# Altium PCB RTM_SFP.PcbDoc (part 5 of 17)
Units mil, origin at the board's own origin, x right, y up, seen from the top; angles counter-clockwise.
Board outline 7185 x 5846.5 mil, 4 copper layers (Top Layer, MidPlane_1, MidPlane_2, Bottom Layer), stack 63.553 mil thick; 389 components, 333 nets, 1578 pads, 1486 vias.
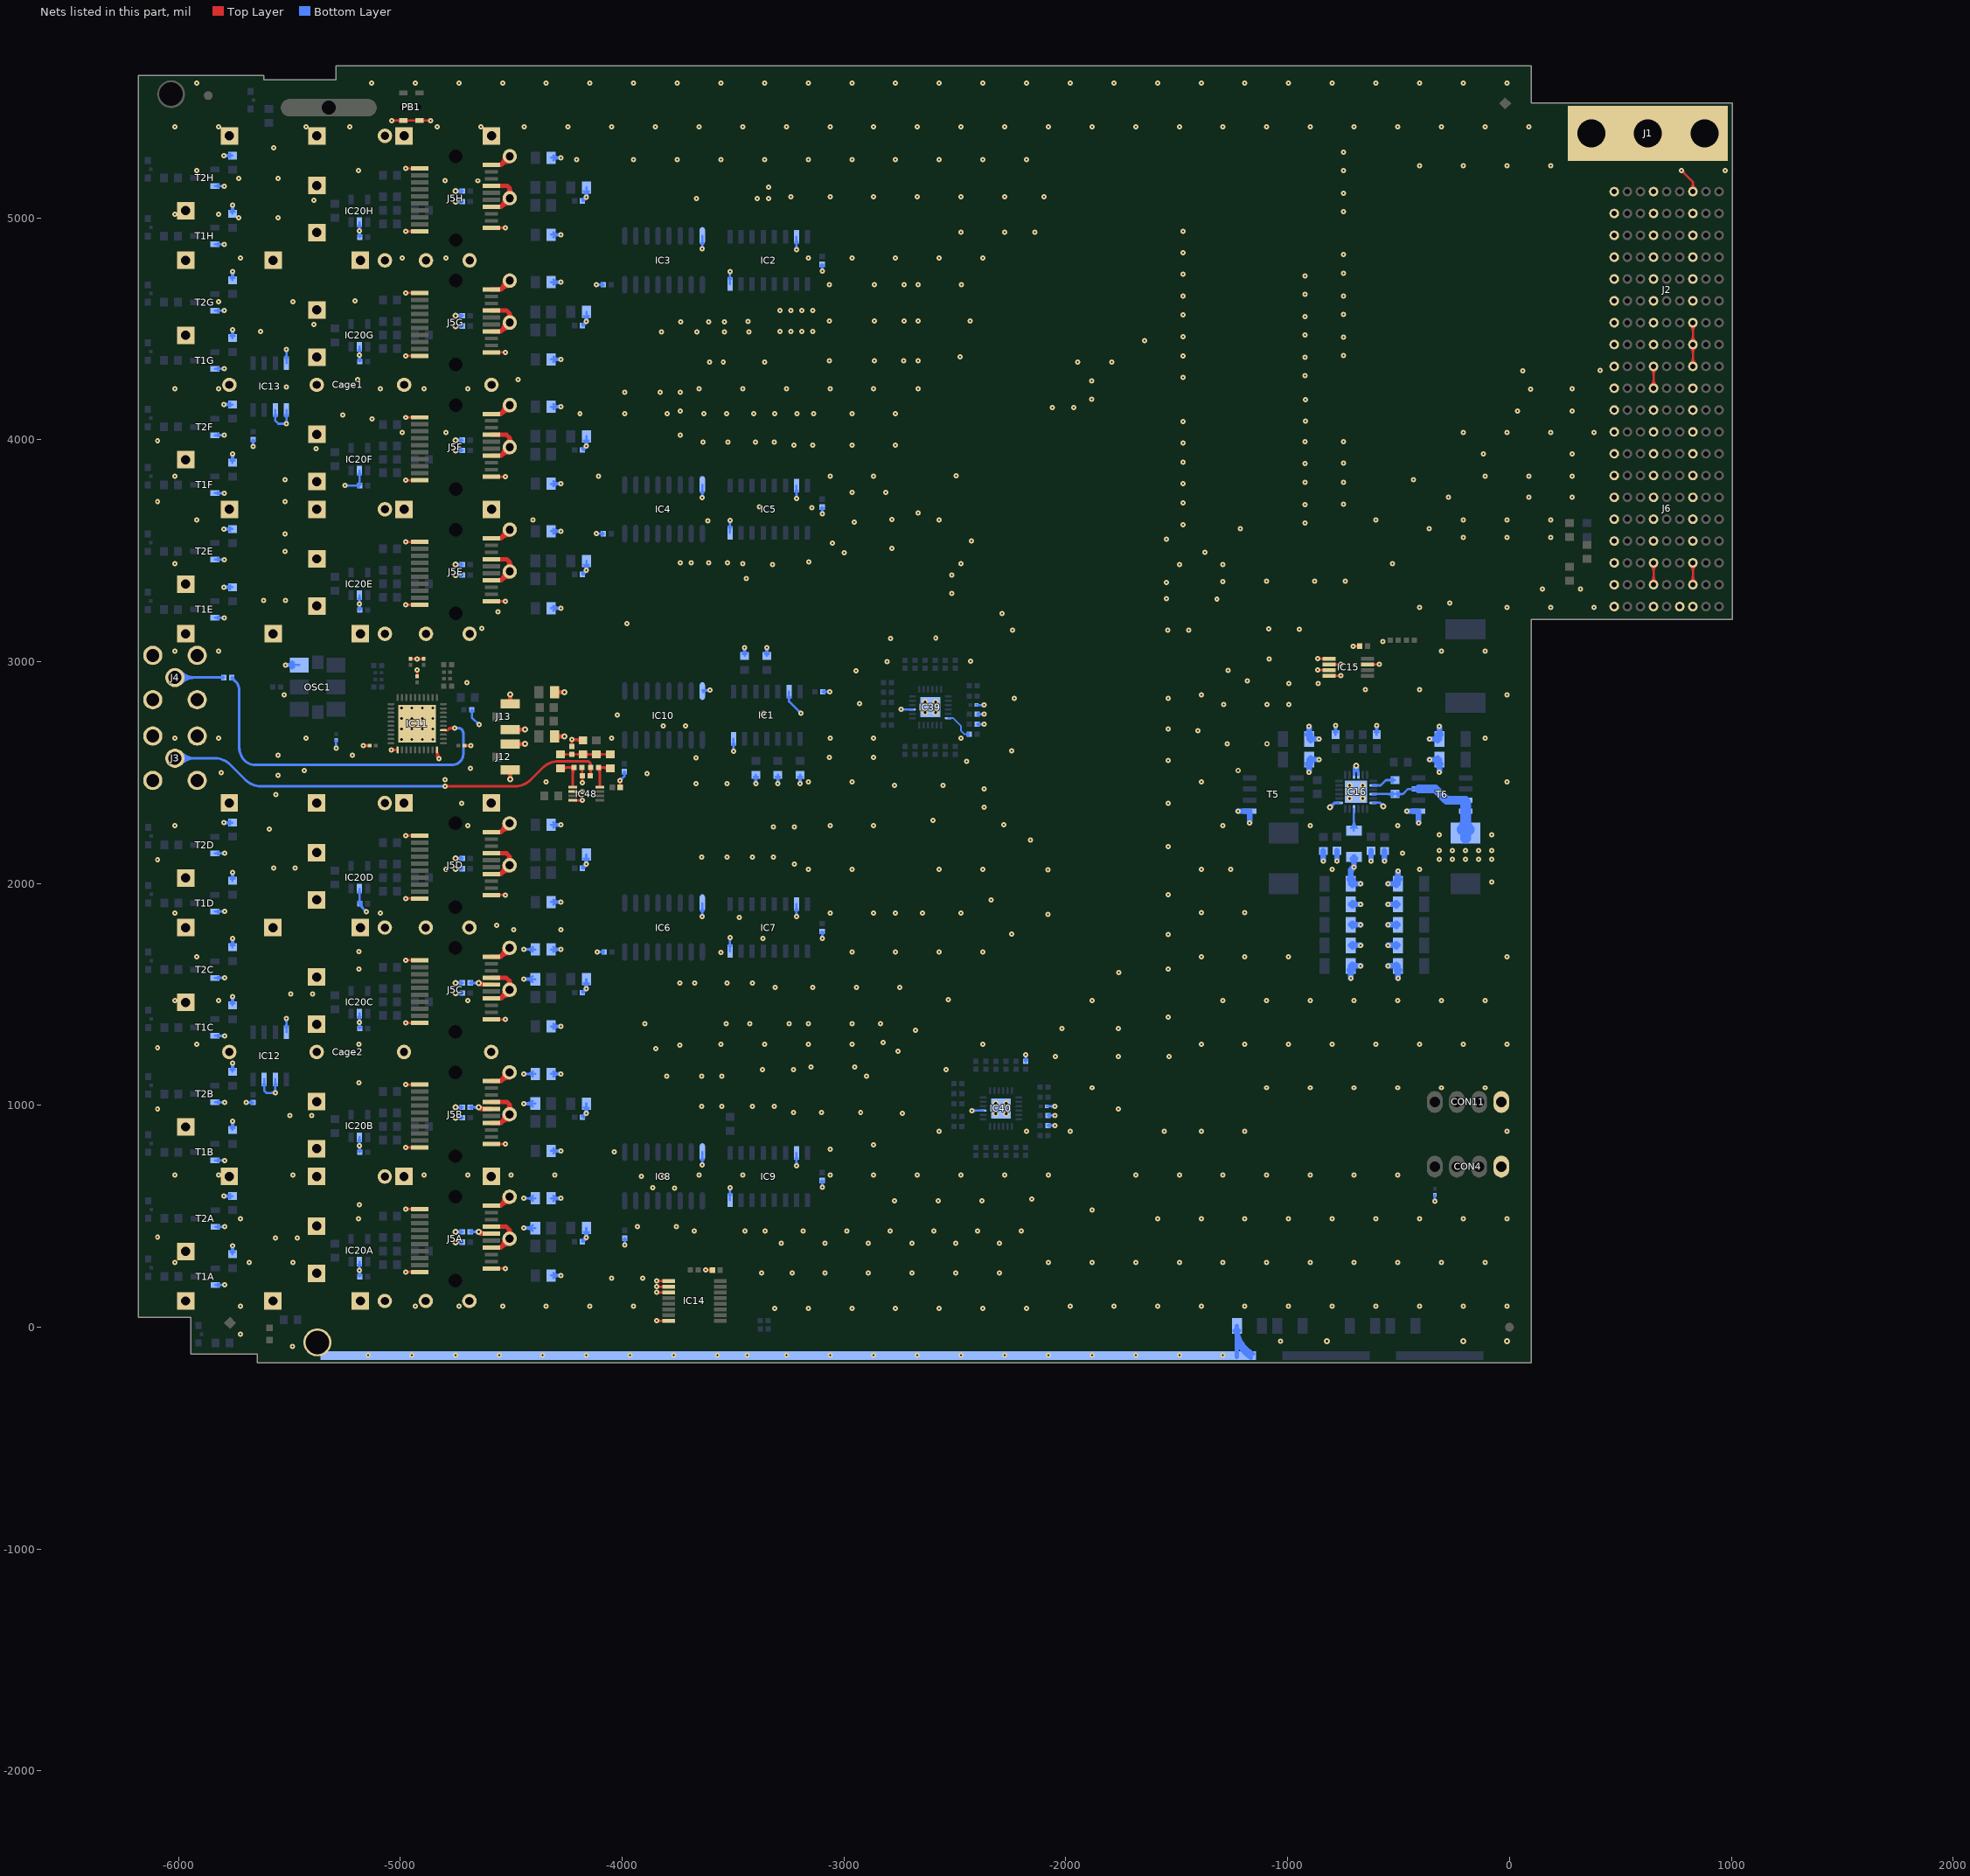
[diagram p7: the nets of this part, all layers, seen from the top]

## Via types
v1: diameter 23.62, hole 7.87, Top Layer to Bottom Layer, tented both sides, 1401 vias
v2: diameter 27.56, hole 11.81, Top Layer to Bottom Layer, tented both sides, 59 vias
v3: diameter 25.98, hole 12.99, Top Layer to Bottom Layer, tented top, 24 vias
v4: diameter 23.62, hole 11.81, Top Layer to Bottom Layer, tented both sides, 2 vias

## Nets (pads, with @x,y where several pads share a name; then routed paths per layer and width w, separated by ;. In a path a pad name is that pad's centre, name@x,y a point inside that pad or via, vN(x,y) a via of type N, cw(c..) or ccw(c..) an arc to the next point about the centre after c; other vN are vias at no path point) (continued)
GND: (continued)
  Bottom Layer w10: -4292.62,3587.8 ccw(c-4292.62,3604.24) -4281,3592.61 cw(c-4292.62,3604.24) -4292.62,3587.8 ; -4292.62,3801.58 cw(c-4292.62,3785.13) -4281,3796.76 ccw(c-4292.62,3785.13) -4292.62,3801.58 ; -4292.62,3801.58 ccw(c-4292.62,3818.02) -4281,3806.39 cw(c-4292.62,3818.02) -4292.62,3801.58 ; -4292.62,4148.82 cw(c-4292.62,4132.38) -4281,4144 ccw(c-4292.62,4132.38) -4292.62,4148.82 ; -4292.62,4148.82 ccw(c-4292.62,4165.26) -4281,4153.64 cw(c-4292.62,4165.26) -4292.62,4148.82 ; -4292.62,4362.6 cw(c-4292.62,4346.16) -4281,4357.78 ccw(c-4292.62,4346.16) -4292.62,4362.6 ; -4292.62,4362.6 ccw(c-4292.62,4379.04) -4281,4367.42 cw(c-4292.62,4379.04) -4292.62,4362.6 ; -4292.62,4709.84 cw(c-4292.62,4693.4) -4281,4705.03 ccw(c-4292.62,4693.4) -4292.62,4709.84 ; -4292.62,4709.84 ccw(c-4292.62,4726.29) -4281,4714.66 cw(c-4292.62,4726.29) -4292.62,4709.84 ; -4292.62,4923.62 cw(c-4292.62,4907.18) -4281,4918.81 ccw(c-4292.62,4907.18) -4292.62,4923.62 ; -4292.62,4923.62 ccw(c-4292.62,4940.07) -4281,4928.44 cw(c-4292.62,4940.07) -4292.62,4923.62 ; -4292.62,5270.87 cw(c-4292.62,5254.42) -4281,5266.05 ccw(c-4292.62,5254.42) -4292.62,5270.87 ; -4292.62,5270.87 ccw(c-4292.62,5287.31) -4281,5275.68 cw(c-4292.62,5287.31) -4292.62,5270.87 ; C186B.2@-4173.6,952.93 cw(c-4161.98,941.3) -4161.98,957.75 ccw(c-4161.98,941.3) C186B.2@-4173.6,952.93 ; C186B.2@-4173.6,952.93 ccw(c-4185.23,964.56) -4168.79,964.56 cw(c-4185.23,964.56) C186B.2@-4173.6,952.93 ; C186C.2@-4173.6,1513.96 cw(c-4161.98,1502.33) -4161.98,1518.77 ccw(c-4161.98,1502.33) C186C.2@-4173.6,1513.96 ; C186C.2@-4173.6,1513.96 ccw(c-4185.23,1525.58) -4168.79,1525.58 cw(c-4185.23,1525.58) C186C.2@-4173.6,1513.96 ; C186D.2@-4173.6,2074.98 cw(c-4161.98,2063.35) -4161.98,2079.8 ccw(c-4161.98,2063.35) C186D.2@-4173.6,2074.98 ; C186D.2@-4173.6,2074.98 ccw(c-4185.23,2086.61) -4168.79,2086.61 cw(c-4185.23,2086.61) C186D.2@-4173.6,2074.98 ; C186H.2@-4173.04,5082.07 cw(c-4161.42,5070.45) -4161.42,5086.89 ccw(c-4161.42,5070.45) C186H.2@-4173.04,5082.07 ; C186H.2@-4173.04,5082.07 ccw(c-4184.67,5093.7) -4168.23,5093.7 cw(c-4184.67,5093.7) C186H.2@-4173.04,5082.07 ; C186E.2@-4172.65,3399.4 cw(c-4161.02,3387.77) -4161.02,3404.21 ccw(c-4161.02,3387.77) C186E.2@-4172.65,3399.4 ; C186E.2@-4172.65,3399.4 ccw(c-4184.28,3411.02) -4167.83,3411.02 cw(c-4184.28,3411.02) C186E.2@-4172.65,3399.4 ; C13B.2@-4161.98,981 cw(c-4178.42,981) -4166.79,969.38 ccw(c-4178.42,981) C13B.2@-4161.98,981 ; C13B.2@-4161.98,981 ccw(c-4145.53,981) -4157.16,969.38 cw(c-4145.53,981) C13B.2@-4161.98,981 ; C13C.2@-4161.98,1542.03 cw(c-4178.42,1542.03) -4166.79,1530.4 ccw(c-4178.42,1542.03) C13C.2@-4161.98,1542.03 ; C13C.2@-4161.98,1542.03 ccw(c-4145.53,1542.03) -4157.16,1530.4 cw(c-4145.53,1542.03) C13C.2@-4161.98,1542.03 ; C13D.2@-4161.98,2103.05 cw(c-4178.42,2103.05) -4166.79,2091.42 ccw(c-4178.42,2103.05) C13D.2@-4161.98,2103.05 ; C13D.2@-4161.98,2103.05 ccw(c-4145.53,2103.05) -4157.16,2091.42 cw(c-4145.53,2103.05) C13D.2@-4161.98,2103.05 ; C13H.2@-4161.42,5110.15 cw(c-4177.86,5110.15) -4166.23,5098.52 ccw(c-4177.86,5110.15) C13H.2@-4161.42,5110.15 ; C13H.2@-4161.42,5110.15 ccw(c-4144.97,5110.15) -4156.6,5098.52 cw(c-4144.97,5110.15) C13H.2@-4161.42,5110.15 ; -4099.7,4698.43 cw(c-4099.7,4714.87) -4111.33,4703.24 ccw(c-4099.7,4714.87) -4099.7,4698.43 ; -4099.7,4698.43 ccw(c-4099.7,4681.98) -4111.33,4693.61 cw(c-4099.7,4681.98) -4099.7,4698.43 ; -4099.6,3576.47 cw(c-4099.6,3592.92) -4111.23,3581.29 ccw(c-4099.6,3592.92) -4099.6,3576.47 ; -4099.6,3576.47 ccw(c-4099.6,3560.03) -4111.23,3571.66 cw(c-4099.6,3560.03) -4099.6,3576.47 ; -4096.06,1691.43 cw(c-4096.06,1707.87) -4107.69,1696.24 ccw(c-4096.06,1707.87) -4096.06,1691.43 ; -4096.06,1691.43 ccw(c-4096.06,1674.98) -4107.69,1686.61 cw(c-4096.06,1674.98) -4096.06,1691.43 ; -3997.82,2475.8 cw(c-4009.45,2487.43) -4009.45,2470.98 ccw(c-4009.45,2487.43) -3997.82,2475.8 ; -3997.82,2475.8 ccw(c-3986.19,2464.17) -4002.64,2464.17 cw(c-3986.19,2464.17) -3997.82,2475.8 ; -3988.58,386.92 cw(c-4005.03,386.92) -3993.4,375.29 ccw(c-4005.03,386.92) -3988.58,386.92 ; -3988.58,386.92 ccw(c-3972.14,386.92) -3983.77,375.29 cw(c-3972.14,386.92) -3988.58,386.92 ; -3638.78,748.34 cw(c-3655.22,748.34) -3643.6,736.71 ccw(c-3655.22,748.34) -3638.78,748.34 ; -3638.78,748.34 ccw(c-3622.34,748.34) -3633.96,736.71 cw(c-3622.34,748.34) -3638.78,748.34 ; -3638.78,1866.64 cw(c-3655.22,1866.64) -3643.6,1855.01 ccw(c-3655.22,1866.64) -3638.78,1866.64 ; -3638.78,1866.64 ccw(c-3622.34,1866.64) -3633.96,1855.01 cw(c-3622.34,1866.64) -3638.78,1866.64 ; -3638.78,3755.44 cw(c-3655.22,3755.44) -3643.6,3743.81 ccw(c-3655.22,3755.44) -3638.78,3755.44 ; -3638.78,3755.44 ccw(c-3622.34,3755.44) -3633.96,3743.81 cw(c-3622.34,3755.44) -3638.78,3755.44 ; -3638.78,4877.48 cw(c-3655.22,4877.48) -3643.6,4865.86 ccw(c-3655.22,4877.48) -3638.78,4877.48 ; -3638.78,4877.48 ccw(c-3622.34,4877.48) -3633.96,4865.86 cw(c-3622.34,4877.48) -3638.78,4877.48 ; -3620.58,2871.06 cw(c-3620.58,2854.62) -3608.95,2866.25 ccw(c-3620.58,2854.62) -3620.58,2871.06 ; -3620.58,2871.06 ccw(c-3620.58,2887.51) -3608.95,2875.88 cw(c-3620.58,2887.51) -3620.58,2871.06 ; -3514.17,613.33 cw(c-3497.73,613.33) -3509.36,624.96 ccw(c-3497.73,613.33) -3514.17,613.33 ; -3514.17,613.33 ccw(c-3530.62,613.33) -3518.99,624.96 cw(c-3530.62,613.33) -3514.17,613.33 ; -3514.17,1739.91 cw(c-3497.73,1739.91) -3509.36,1751.54 ccw(c-3497.73,1739.91) -3514.17,1739.91 ; -3514.17,1739.91 ccw(c-3530.62,1739.91) -3518.99,1751.54 cw(c-3530.62,1739.91) -3514.17,1739.91 ; -3514.17,3620.42 cw(c-3497.73,3620.42) -3509.36,3632.05 ccw(c-3497.73,3620.42) -3514.17,3620.42 ; -3514.17,3620.42 ccw(c-3530.62,3620.42) -3518.99,3632.05 cw(c-3530.62,3620.42) -3514.17,3620.42 ; -3514.17,4742.47 cw(c-3497.73,4742.47) -3509.36,4754.1 ccw(c-3497.73,4742.47) -3514.17,4742.47 ; -3514.17,4742.47 ccw(c-3530.62,4742.47) -3518.99,4754.1 cw(c-3530.62,4742.47) -3514.17,4742.47 ; -3498.03,2611.33 cw(c-3514.47,2611.33) -3502.85,2599.7 ccw(c-3514.47,2611.33) -3498.03,2611.33 ; -3498.03,2611.33 ccw(c-3481.59,2611.33) -3493.22,2599.7 cw(c-3481.59,2611.33) -3498.03,2611.33 ; -3448.03,3047.34 cw(c-3431.59,3047.34) -3443.22,3058.96 ccw(c-3431.59,3047.34) -3448.03,3047.34 ; -3448.03,3047.34 ccw(c-3464.47,3047.34) -3452.85,3058.96 cw(c-3464.47,3047.34) -3448.03,3047.34 ; -3397.64,2465.66 cw(c-3414.08,2465.66) -3402.45,2454.03 ccw(c-3414.08,2465.66) -3397.64,2465.66 ; -3397.64,2465.66 ccw(c-3381.19,2465.66) -3392.82,2454.03 cw(c-3381.19,2465.66) -3397.64,2465.66 ; -3348.03,3047.34 cw(c-3331.59,3047.34) -3343.22,3058.96 ccw(c-3331.59,3047.34) -3348.03,3047.34 ; -3348.03,3047.34 ccw(c-3364.47,3047.34) -3352.85,3058.96 cw(c-3364.47,3047.34) -3348.03,3047.34 ; -3298.03,2465.66 cw(c-3314.47,2465.66) -3302.85,2454.03 ccw(c-3314.47,2465.66) -3298.03,2465.66 ; -3298.03,2465.66 ccw(c-3281.59,2465.66) -3293.22,2454.03 cw(c-3281.59,2465.66) -3298.03,2465.66 ; -3214.17,744.64 cw(c-3230.62,744.64) -3218.99,733.01 ccw(c-3230.62,744.64) -3214.17,744.64 ; -3214.17,744.64 ccw(c-3197.73,744.64) -3209.36,733.01 cw(c-3197.73,744.64) -3214.17,744.64 ; -3214.17,1866.69 cw(c-3230.62,1866.69) -3218.99,1855.06 ccw(c-3230.62,1866.69) -3214.17,1866.69 ; -3214.17,1866.69 ccw(c-3197.73,1866.69) -3209.36,1855.06 cw(c-3197.73,1866.69) -3214.17,1866.69 ; -3214.17,3751.73 cw(c-3230.62,3751.73) -3218.99,3740.11 ccw(c-3230.62,3751.73) -3214.17,3751.73 ; -3214.17,3751.73 ccw(c-3197.73,3751.73) -3209.36,3740.11 cw(c-3197.73,3751.73) -3214.17,3751.73 ; -3214.17,4873.78 cw(c-3230.62,4873.78) -3218.99,4862.16 ccw(c-3230.62,4873.78) -3214.17,4873.78 ; -3214.17,4873.78 ccw(c-3197.73,4873.78) -3209.36,4862.16 cw(c-3197.73,4873.78) -3214.17,4873.78 ; -3205.72,2778.16 cw(c-3217.35,2766.54) -3200.91,2766.54 ccw(c-3217.35,2766.54) -3205.72,2778.16 ; -3205.72,2778.16 ccw(c-3194.09,2789.79) -3194.09,2773.35 cw(c-3194.09,2789.79) -3205.72,2778.16 ; -3198.03,2465.66 cw(c-3214.47,2465.66) -3202.85,2454.03 ccw(c-3214.47,2465.66) -3198.03,2465.66 ; -3198.03,2465.66 ccw(c-3181.59,2465.66) -3193.22,2454.03 cw(c-3181.59,2465.66) -3198.03,2465.66 ; -3098.43,647 cw(c-3114.87,647) -3103.24,635.38 ccw(c-3114.87,647) -3098.43,647 ; -3098.43,647 ccw(c-3081.98,647) -3093.61,635.38 cw(c-3081.98,647) -3098.43,647 ; -3098.43,1769.05 cw(c-3114.87,1769.05) -3103.24,1757.42 ccw(c-3114.87,1769.05) -3098.43,1769.05 ; -3098.43,1769.05 ccw(c-3081.98,1769.05) -3093.61,1757.42 cw(c-3081.98,1769.05) -3098.43,1769.05 ; -3098.43,3681.66 cw(c-3114.87,3681.66) -3103.24,3670.03 ccw(c-3114.87,3681.66) -3098.43,3681.66 ; -3098.43,3681.66 ccw(c-3081.98,3681.66) -3093.61,3670.03 cw(c-3081.98,3681.66) -3098.43,3681.66 ; -3098.43,4776.14 cw(c-3114.87,4776.14) -3103.24,4764.52 ccw(c-3114.87,4776.14) -3098.43,4776.14 ; -3098.43,4776.14 ccw(c-3081.98,4776.14) -3093.61,4764.52 cw(c-3081.98,4776.14) -3098.43,4776.14 ; -3081.4,2864.17 cw(c-3081.4,2847.73) -3069.78,2859.36 ccw(c-3081.4,2847.73) -3081.4,2864.17 ; -3081.4,2864.17 ccw(c-3081.4,2880.62) -3069.78,2868.99 cw(c-3081.4,2880.62) -3081.4,2864.17 ; -2726.08,2784.26 cw(c-2726.08,2800.7) -2737.71,2789.08 ccw(c-2726.08,2800.7) -2726.08,2784.26 ; -2726.08,2784.26 ccw(c-2726.08,2767.82) -2737.71,2779.44 cw(c-2726.08,2767.82) -2726.08,2784.26 ; -2407.64,975.98 cw(c-2407.64,992.43) -2419.26,980.8 ccw(c-2407.64,992.43) -2407.64,975.98 ; -2407.64,975.98 ccw(c-2407.64,959.54) -2419.26,971.17 cw(c-2407.64,959.54) -2407.64,975.98 ; -2384.55,2717.72 cw(c-2384.55,2701.27) -2372.93,2712.9 ccw(c-2384.55,2701.27) -2384.55,2717.72 ; -2384.55,2717.72 ccw(c-2384.55,2734.16) -2372.93,2722.53 cw(c-2384.55,2734.16) -2384.55,2717.72 ; -2384.55,2762.8 cw(c-2384.55,2746.35) -2372.93,2757.98 ccw(c-2384.55,2746.35) -2384.55,2762.8 ; -2384.55,2762.8 ccw(c-2384.55,2779.24) -2372.93,2767.61 cw(c-2384.55,2779.24) -2384.55,2762.8 ; -2384.55,2803.94 cw(c-2384.55,2787.5) -2372.93,2799.13 ccw(c-2384.55,2787.5) -2384.55,2803.94 ; -2384.55,2803.94 ccw(c-2384.55,2820.39) -2372.93,2808.76 cw(c-2384.55,2820.39) -2384.55,2803.94 ; -2180.37,1212.29 cw(c-2163.93,1212.29) -2175.55,1223.92 ccw(c-2163.93,1212.29) -2180.37,1212.29 ; -2180.37,1212.29 ccw(c-2196.81,1212.29) -2185.19,1223.92 cw(c-2196.81,1212.29) -2180.37,1212.29 ; -2066.1,909.44 cw(c-2066.1,893) -2054.48,904.62 ccw(c-2066.1,893) -2066.1,909.44 ; -2066.1,909.44 ccw(c-2066.1,925.88) -2054.48,914.26 cw(c-2066.1,925.88) -2066.1,909.44 ; -2066.1,954.52 cw(c-2066.1,938.08) -2054.48,949.7 ccw(c-2066.1,938.08) -2066.1,954.52 ; -2066.1,954.52 ccw(c-2066.1,970.96) -2054.48,959.34 cw(c-2066.1,970.96) -2066.1,954.52 ; -2066.1,995.67 cw(c-2066.1,979.23) -2054.48,990.85 ccw(c-2066.1,979.23) -2066.1,995.67 ; -2066.1,995.67 ccw(c-2066.1,1012.11) -2054.48,1000.49 cw(c-2066.1,1012.11) -2066.1,995.67 ; -794.86,2358.69 cw(c-809.84,2373.68) -809.84,2352.48 ccw(c-809.84,2373.68) -794.86,2358.69 ; -794.86,2358.69 ccw(c-779.87,2343.7) -801.06,2343.7 cw(c-779.87,2343.7) -794.86,2358.69 ; -783.86,2694.97 cw(c-767.42,2694.97) -779.04,2706.6 ccw(c-767.42,2694.97) -783.86,2694.97 ; -783.86,2694.97 ccw(c-800.3,2694.97) -788.67,2706.6 cw(c-800.3,2694.97) -783.86,2694.97 ; -598.82,2694.97 cw(c-582.38,2694.97) -594,2706.6 ccw(c-582.38,2694.97) -598.82,2694.97 ; -598.82,2694.97 ccw(c-615.26,2694.97) -603.63,2706.6 cw(c-615.26,2694.97) -598.82,2694.97 ; -583.89,2362.63 cw(c-598.87,2347.64) -577.68,2347.64 ccw(c-598.87,2347.64) -583.89,2362.63 ; -583.89,2362.63 ccw(c-568.9,2377.61) -568.9,2356.42 cw(c-568.9,2377.61) -583.89,2362.63 ; -337.02,583.75 cw(c-353.47,583.75) -341.84,572.12 ccw(c-353.47,583.75) -337.02,583.75 ; -337.02,583.75 ccw(c-320.58,583.75) -332.21,572.12 cw(c-320.58,583.75) -337.02,583.75 ; C186A.2@-4173.98,391.53 cw(c-4161.42,378.96) -4161.42,396.73 ccw(c-4161.42,378.96) C186A.2@-4173.98,391.53 ; C186F.2@-4173.32,3959.75 cw(c-4161.02,3947.45) -4161.02,3964.84 ccw(c-4161.02,3947.45) C186F.2@-4173.32,3959.75 ; C186G.2@-4173.32,4520.77 cw(c-4161.02,4508.47) -4161.02,4525.87 ccw(c-4161.02,4508.47) C186G.2@-4173.32,4520.77 ; C186A.2@-4172.65,392.86 ccw(c-4183.34,403.54) -4168.23,403.54 cw(c-4183.34,403.54) C186A.2@-4172.65,392.86 ; C186F.2@-4172.37,3960.7 ccw(c-4183.33,3971.65) -4167.83,3971.65 cw(c-4183.33,3971.65) C186F.2@-4172.37,3960.7 ; C186G.2@-4172.37,4521.72 ccw(c-4183.33,4532.68) -4167.83,4532.68 cw(c-4183.33,4532.68) C186G.2@-4172.37,4521.72 ; v1@-4166.23,408.36 ccw(c-4176.51,418.64) -4161.98,418.64 cw(c-4176.51,418.64) v1@-4166.23,408.36 ; v1@-4165.84,3415.84 ccw(c-4176.52,3426.52) -4161.42,3426.52 cw(c-4176.52,3426.52) v1@-4165.84,3415.84 ; v1@-4165.84,3976.47 ccw(c-4176.52,3987.15) -4161.42,3987.15 cw(c-4176.52,3987.15) v1@-4165.84,3976.47 ; v1@-4165.84,4537.49 ccw(c-4176.52,4548.17) -4161.42,4548.17 cw(c-4176.52,4548.17) v1@-4165.84,4537.49 ; C13A.2@-4161.98,421.34 ccw(c-4143.62,421.34) -4156.6,408.36 cw(c-4143.62,421.34) C13A.2@-4161.98,421.34 ; C13E.2@-4161.42,3428.42 ccw(c-4143.63,3428.42) -4156.21,3415.84 cw(c-4143.63,3428.42) C13E.2@-4161.42,3428.42 ; C13F.2@-4161.42,3989.05 ccw(c-4143.63,3989.05) -4156.21,3976.47 cw(c-4143.63,3989.05) C13F.2@-4161.42,3989.05 ; C13G.2@-4161.42,4550.07 ccw(c-4143.63,4550.07) -4156.21,4537.49 cw(c-4143.63,4550.07) C13G.2@-4161.42,4550.07 ; IC16.3@-701.18,2488.23 cw(c-651.29,2488.23) -685.35,2524.69 ccw(c-651.29,2488.23) IC16.3@-701.18,2488.23 ; -701.18,2511.25 cw(c-672.8,2511.25) -692.17,2531.99 ccw(c-672.8,2511.25) -701.18,2511.25 ; v2@-697.33,2524.69 cw(c-731.38,2488.23) -681.5,2488.23 ccw(c-731.38,2488.23) v2@-697.33,2524.69 ; v2@-690.51,2531.99 cw(c-709.88,2511.25) -681.5,2511.25 ccw(c-709.88,2511.25) v2@-690.51,2531.99
  Bottom Layer w11.81: v2(-4751.97,383.27) C228A.2@-4720.47,383.27 ; v2(-4751.97,429.92) C214A.2@-4720.47,429.92 ; v2(-4751.97,944.29) C228B.2@-4720.47,944.29 ; v2(-4751.97,990.94) C214B.2@-4720.47,990.94 ; v2(-4751.97,1505.31) C228C.2@-4720.47,1505.31 ; v2(-4751.97,1551.97) C214C.2@-4720.47,1551.97 ; v2(-4751.97,2066.34) C228D.2@-4720.47,2066.34 ; v2(-4751.97,2112.99) C214D.2@-4720.47,2112.99 ; v2(-4751.41,3390.36) C228E.2@-4719.91,3390.36 ; v2(-4751.41,3437.02) C214E.2@-4719.91,3437.02 ; v2(-4751.41,3951.39) C228F.2@-4719.91,3951.39 ; v2(-4751.41,3998.04) C214F.2@-4719.91,3998.04 ; v2(-4751.41,4512.41) C228G.2@-4719.91,4512.41 ; v2(-4751.41,4559.06) C214G.2@-4719.91,4559.06 ; v2(-4751.41,5073.43) C228H.2@-4719.91,5073.43 ; v2(-4751.41,5120.09) C214H.2@-4719.91,5120.09 ; -4736.74,3389.2 cw(c-4733.62,3377.56) C228E.2@-4724.99,3385.97 ; -4736.74,3391.52 ccw(c-4733.62,3403.17) C228E.2@-4724.99,3394.76 ; -4736.74,3435.85 cw(c-4733.62,3424.21) C214E.2@-4724.99,3432.62 ; -4736.74,3438.18 ccw(c-4733.62,3449.82) C214E.2@-4724.99,3441.41 ; -4736.74,3950.22 cw(c-4733.62,3938.58) C228F.2@-4724.99,3946.99 ; -4736.74,3952.55 ccw(c-4733.62,3964.19) C228F.2@-4724.99,3955.78 ; -4736.74,3996.88 cw(c-4733.62,3985.23) C214F.2@-4724.99,3993.64 ; -4736.74,3999.2 ccw(c-4733.62,4010.85) C214F.2@-4724.99,4002.43 ; -4736.74,4511.25 cw(c-4733.62,4499.6) C228G.2@-4724.99,4508.01 ; -4736.74,4513.57 ccw(c-4733.62,4525.22) C228G.2@-4724.99,4516.8 ; -4736.74,4557.9 cw(c-4733.62,4546.26) C214G.2@-4724.99,4554.67 ; -4736.74,4560.23 ccw(c-4733.62,4571.87) C214G.2@-4724.99,4563.46 ; -4736.74,5072.27 cw(c-4733.62,5060.63) C228H.2@-4724.99,5069.04 ; -4736.74,5074.6 ccw(c-4733.62,5086.24) C228H.2@-4724.99,5077.83 ; -4736.74,5118.92 cw(c-4733.62,5107.28) C214H.2@-4724.99,5115.69 ; -4736.74,5121.25 ccw(c-4733.62,5132.89) C214H.2@-4724.99,5124.48 ; C228A.2@-4724.93,378.81 ccw(c-4735.68,368.06) -4735.68,383.27 ccw(c-4735.68,398.47) C228A.2@-4724.93,387.72 ; C214A.2@-4724.93,425.47 ccw(c-4735.68,414.71) -4735.68,429.92 ccw(c-4735.68,445.13) C214A.2@-4724.93,434.37 ; C228B.2@-4724.93,939.84 ccw(c-4735.68,929.08) -4735.68,944.29 ccw(c-4735.68,959.5) C228B.2@-4724.93,948.74 ; C214B.2@-4724.93,986.49 ccw(c-4735.68,975.74) -4735.68,990.94 ccw(c-4735.68,1006.15) C214B.2@-4724.93,995.4 ; C228C.2@-4724.93,1500.86 ccw(c-4735.68,1490.11) -4735.68,1505.31 ccw(c-4735.68,1520.52) C228C.2@-4724.93,1509.77 ; C214C.2@-4724.93,1547.51 ccw(c-4735.68,1536.76) -4735.68,1551.97 ccw(c-4735.68,1567.18) C214C.2@-4724.93,1556.42 ; C228D.2@-4724.93,2061.88 ccw(c-4735.68,2051.13) -4735.68,2066.34 ccw(c-4735.68,2081.55) C228D.2@-4724.93,2070.79 ; C214D.2@-4724.93,2108.54 ccw(c-4735.68,2097.78) -4735.68,2112.99 ccw(c-4735.68,2128.2) C214D.2@-4724.93,2117.45 ; C228E.2@-4724.93,3385.91 ccw(c-4735.68,3375.15) -4735.68,3390.36 ccw(c-4735.68,3405.57) C228E.2@-4724.93,3394.82 ; C214E.2@-4724.93,3432.56 ccw(c-4735.68,3421.81) -4735.68,3437.02 ccw(c-4735.68,3452.22) C214E.2@-4724.93,3441.47 ; C228F.2@-4724.93,3946.93 ccw(c-4735.68,3936.18) -4735.68,3951.39 ccw(c-4735.68,3966.59) C228F.2@-4724.93,3955.84 ; C214F.2@-4724.93,3993.58 ccw(c-4735.68,3982.83) -4735.68,3998.04 ccw(c-4735.68,4013.25) C214F.2@-4724.93,4002.49 ; C228G.2@-4724.93,4507.96 ccw(c-4735.68,4497.2) -4735.68,4512.41 ccw(c-4735.68,4527.62) C228G.2@-4724.93,4516.86 ; C214G.2@-4724.93,4554.61 ccw(c-4735.68,4543.86) -4735.68,4559.06 ccw(c-4735.68,4574.27) C214G.2@-4724.93,4563.52 ; C228H.2@-4724.93,5068.98 ccw(c-4735.68,5058.23) -4735.68,5073.43 ccw(c-4735.68,5088.64) C228H.2@-4724.93,5077.89 ; C214H.2@-4724.93,5115.63 ccw(c-4735.68,5104.88) -4735.68,5120.09 ccw(c-4735.68,5135.29) C214H.2@-4724.93,5124.54 ; -4732.96,383.27 cw(c-4732.96,402.28) -4746.4,388.83 ccw(c-4732.96,402.28) -4732.96,383.27 ; -4732.96,383.27 ccw(c-4732.96,364.26) -4746.4,377.7 cw(c-4732.96,364.26) -4732.96,383.27 ; -4732.96,429.92 cw(c-4732.96,448.93) -4746.4,435.49 ccw(c-4732.96,448.93) -4732.96,429.92 ; -4732.96,429.92 ccw(c-4732.96,410.91) -4746.4,424.35 cw(c-4732.96,410.91) -4732.96,429.92 ; -4732.96,944.29 cw(c-4732.96,963.3) -4746.4,949.86 ccw(c-4732.96,963.3) -4732.96,944.29 ; -4732.96,944.29 ccw(c-4732.96,925.28) -4746.4,938.72 cw(c-4732.96,925.28) -4732.96,944.29 ; -4732.96,990.94 cw(c-4732.96,1009.95) -4746.4,996.51 ccw(c-4732.96,1009.95) -4732.96,990.94 ; -4732.96,990.94 ccw(c-4732.96,971.93) -4746.4,985.38 cw(c-4732.96,971.93) -4732.96,990.94 ; -4732.96,1505.31 cw(c-4732.96,1524.32) -4746.4,1510.88 ccw(c-4732.96,1524.32) -4732.96,1505.31 ; -4732.96,1505.31 ccw(c-4732.96,1486.31) -4746.4,1499.75 cw(c-4732.96,1486.31) -4732.96,1505.31 ; -4732.96,1551.97 cw(c-4732.96,1570.98) -4746.4,1557.54 ccw(c-4732.96,1570.98) -4732.96,1551.97 ; -4732.96,1551.97 ccw(c-4732.96,1532.96) -4746.4,1546.4 cw(c-4732.96,1532.96) -4732.96,1551.97 ; -4732.96,2066.34 cw(c-4732.96,2085.35) -4746.4,2071.91 ccw(c-4732.96,2085.35) -4732.96,2066.34 ; -4732.96,2066.34 ccw(c-4732.96,2047.33) -4746.4,2060.77 cw(c-4732.96,2047.33) -4732.96,2066.34 ; -4732.96,2112.99 cw(c-4732.96,2132) -4746.4,2118.56 ccw(c-4732.96,2132) -4732.96,2112.99 ; -4732.96,2112.99 ccw(c-4732.96,2093.98) -4746.4,2107.42 cw(c-4732.96,2093.98) -4732.96,2112.99 ; C228E.2@-4732.4,3390.36 cw(c-4732.4,3409.37) -4745.84,3395.93 ccw(c-4732.4,3409.37) C228E.2@-4732.4,3390.36 ; C228E.2@-4732.4,3390.36 ccw(c-4732.4,3371.35) -4745.84,3384.79 cw(c-4732.4,3371.35) C228E.2@-4732.4,3390.36 ; C214E.2@-4732.4,3437.02 cw(c-4732.4,3456.02) -4745.84,3442.58 ccw(c-4732.4,3456.02) C214E.2@-4732.4,3437.02 ; C214E.2@-4732.4,3437.02 ccw(c-4732.4,3418.01) -4745.84,3431.45 cw(c-4732.4,3418.01) C214E.2@-4732.4,3437.02 ; C228F.2@-4732.4,3951.39 cw(c-4732.4,3970.4) -4745.84,3956.95 ccw(c-4732.4,3970.4) C228F.2@-4732.4,3951.39 ; C228F.2@-4732.4,3951.39 ccw(c-4732.4,3932.38) -4745.84,3945.82 cw(c-4732.4,3932.38) C228F.2@-4732.4,3951.39 ; C214F.2@-4732.4,3998.04 cw(c-4732.4,4017.05) -4745.84,4003.61 ccw(c-4732.4,4017.05) C214F.2@-4732.4,3998.04 ; C214F.2@-4732.4,3998.04 ccw(c-4732.4,3979.03) -4745.84,3992.47 cw(c-4732.4,3979.03) C214F.2@-4732.4,3998.04 ; C228G.2@-4732.4,4512.41 cw(c-4732.4,4531.42) -4745.84,4517.98 ccw(c-4732.4,4531.42) C228G.2@-4732.4,4512.41 ; C228G.2@-4732.4,4512.41 ccw(c-4732.4,4493.4) -4745.84,4506.84 cw(c-4732.4,4493.4) C228G.2@-4732.4,4512.41 ; C214G.2@-4732.4,4559.06 cw(c-4732.4,4578.07) -4745.84,4564.63 ccw(c-4732.4,4578.07) C214G.2@-4732.4,4559.06 ; C214G.2@-4732.4,4559.06 ccw(c-4732.4,4540.05) -4745.84,4553.5 cw(c-4732.4,4540.05) C214G.2@-4732.4,4559.06 ; C228H.2@-4732.4,5073.43 cw(c-4732.4,5092.44) -4745.84,5079 ccw(c-4732.4,5092.44) C228H.2@-4732.4,5073.43 ; C228H.2@-4732.4,5073.43 ccw(c-4732.4,5054.42) -4745.84,5067.87 cw(c-4732.4,5054.42) C228H.2@-4732.4,5073.43 ; C214H.2@-4732.4,5120.09 cw(c-4732.4,5139.1) -4745.84,5125.65 ccw(c-4732.4,5139.1) C214H.2@-4732.4,5120.09 ; C214H.2@-4732.4,5120.09 ccw(c-4732.4,5101.08) -4745.84,5114.52 cw(c-4732.4,5101.08) C214H.2@-4732.4,5120.09